# Altium PCB PIXHACK.PcbDoc (part 3 of 3)
Units mm, origin at the board's own origin, x right, y up, seen from the top; angles counter-clockwise.
Board outline 49 x 41 mm, 4 copper layers (Top Layer, GND, power, Bottom Layer); 140 components, 206 nets, 724 pads, 254 vias.
Unrouted connection lines stored in the file: 2.
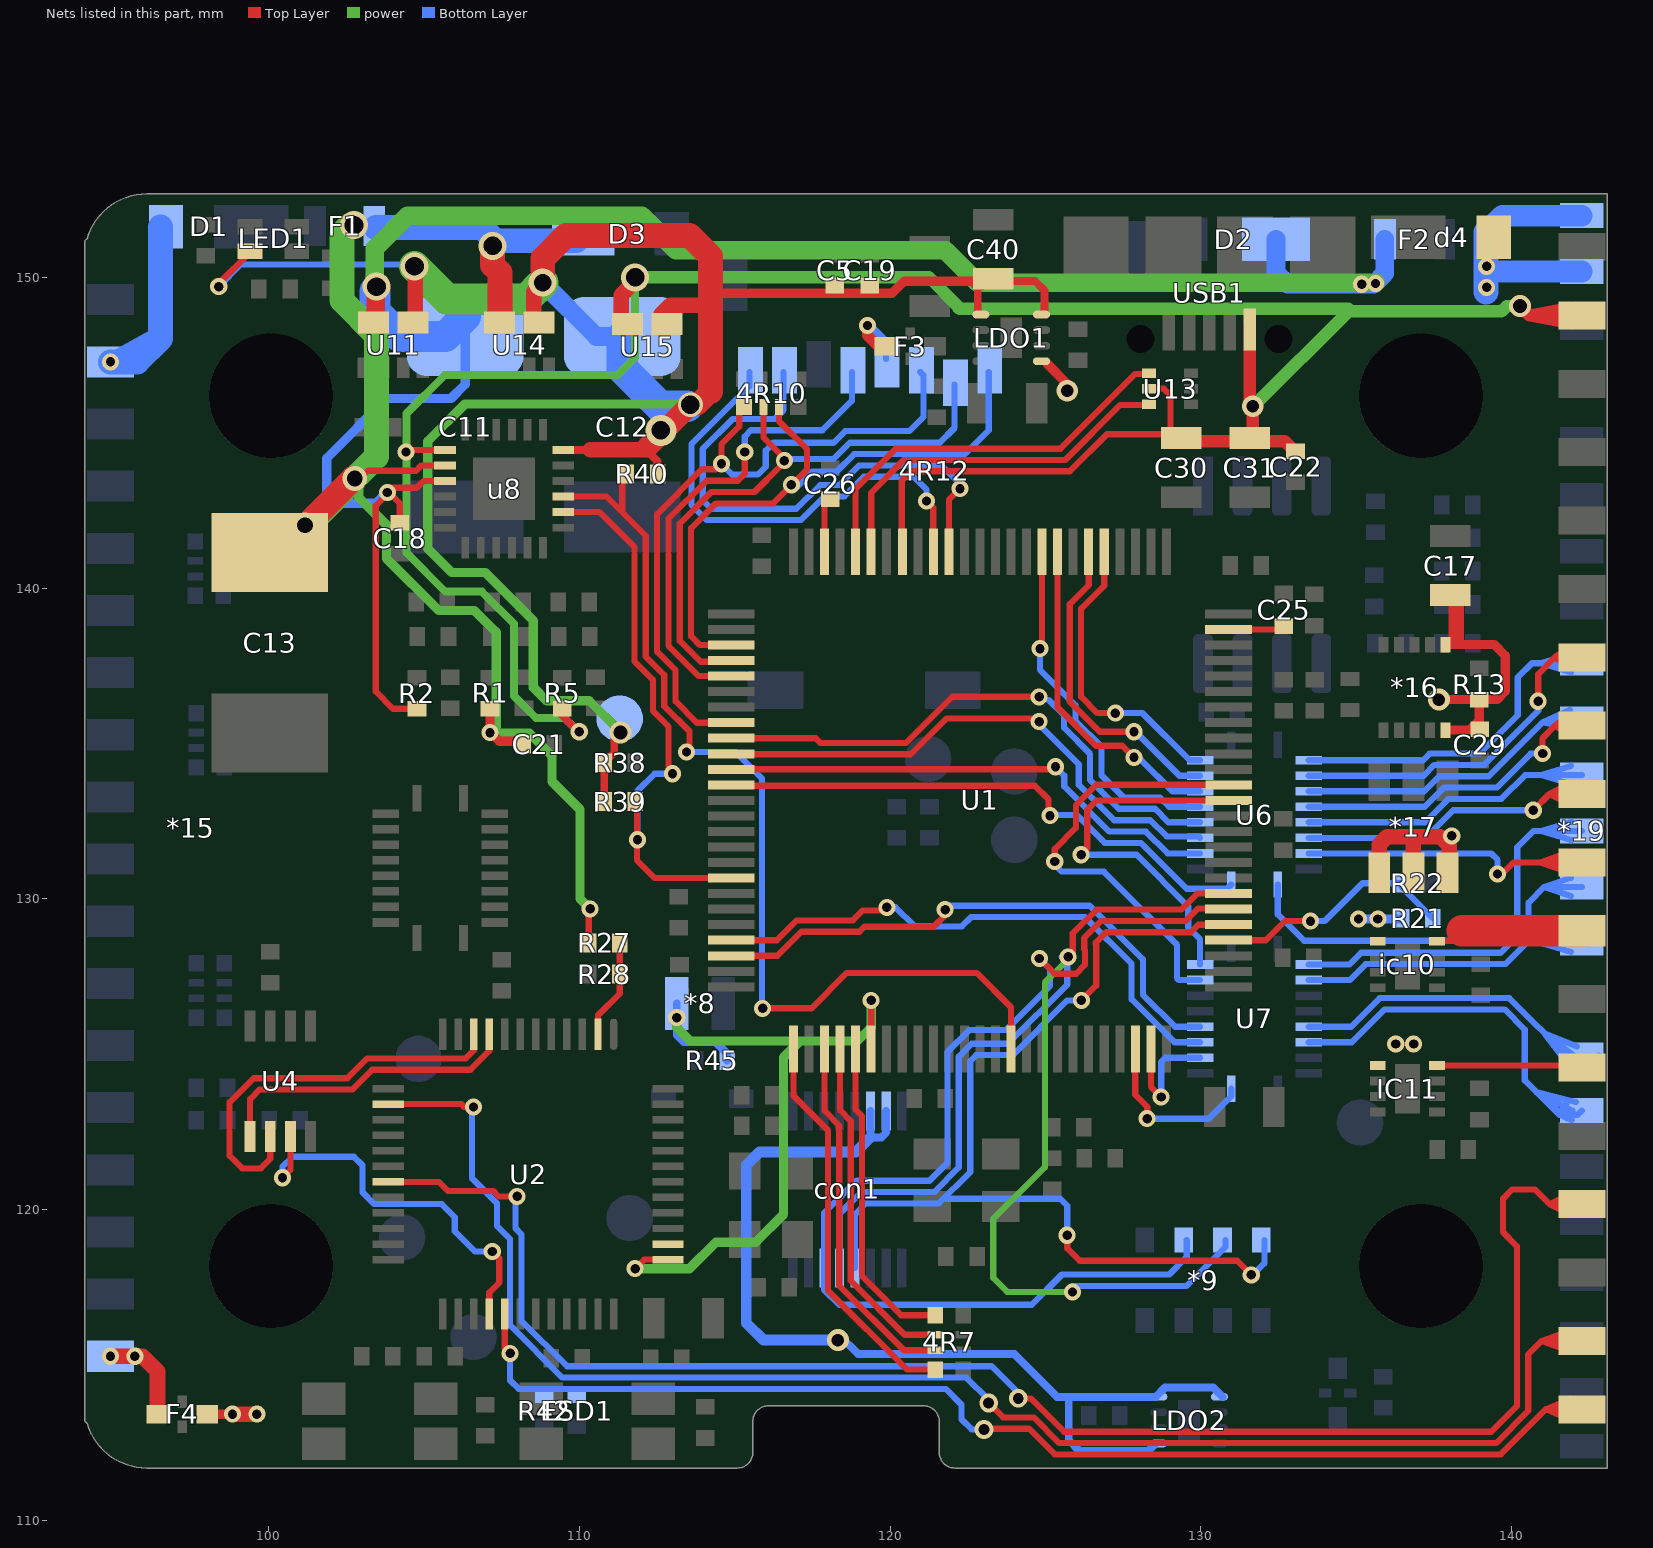
[diagram p5: the nets of this part, all layers, seen from the top]

## Via types
v1: diameter 0.55, hole 0.3, Top Layer to Bottom Layer, 198 vias
v2: diameter 0.6, hole 0.35, Top Layer to Bottom Layer, 24 vias
v3: diameter 0.7, hole 0.4, Top Layer to Bottom Layer, 9 vias
v4: diameter 0.9, hole 0.6, Top Layer to Bottom Layer, 5 vias
v5: diameter 0.7, hole 0.45, Top Layer to Bottom Layer, 4 vias
v6: diameter 0.65, hole 0.4, Top Layer to Bottom Layer, 4 vias
v7: diameter 0.5, hole 0.3, Top Layer to Bottom Layer, 2 vias
v8: diameter 0.8, hole 0.5, Top Layer to Bottom Layer, 2 vias
v9: diameter 0.65, hole 0.35, Top Layer to Bottom Layer, 2 vias
v10: diameter 0.9, hole 0.55, Top Layer to Bottom Layer, 1 vias
v11: diameter 1, hole 0.6, Top Layer to Bottom Layer, 1 vias
v12: diameter 0.8, hole 0.6, Top Layer to Bottom Layer, 1 vias
v13: diameter 0.8, hole 0.45, Top Layer to Bottom Layer, 1 vias

## Nets (pads, with @x,y where several pads share a name; then routed paths per layer and width w, separated by ;. In a path a pad name is that pad's centre, name@x,y a point inside that pad or via, vN(x,y) a via of type N, cw(c..) or ccw(c..) an arc to the next point about the centre after c; other vN are vias at no path point) (continued)
SAFE_LED: *19.2 U2.26 | length 53.9
  Top Layer w0.2: U2.26@103.854,123.391 103.863,123.4 106.2,123.4 106.3,123.3 v1(106.6,123.3) ; v2(123.175,113.775) 123.64,113.31 124.625,113.31 125.45,112.485 139.501,112.485 140.54,113.524 140.54,115.34 140.972,115.772 ; *19.2@141.905,115.427 140.972,115.772 ; *19.2@141.905,116.117 140.972,115.772 ; *19.2@141.956,115.622 140.972,115.772 ; *19.2@141.956,115.922 140.972,115.772 ; *19.2@141.967,115.772 140.972,115.772 ; *19.2@142.267,115.772 140.972,115.772
  Bottom Layer w0.2: v1@106.55,123.35 106.55,121 107.35,120.2 107.35,119.475 107.775,119.05 107.775,116.275 109.457,114.593 122.457,114.593 123.175,113.875 v2(123.175,113.775) ; v1@106.585,123.315 v1(106.6,123.3)
SAFETY: *19.1 ESD1.1 R42.2 U2.41 | length 42.9
  Top Layer w0.2: U2.41@107.604,116.641 107.604,115.546 v1(107.775,115.375) ; v2@123.045,112.945 124.474,112.945 125.299,112.12 139.652,112.12 141.104,113.572 ; *19.1@141.896,113.229 141.104,113.572 ; *19.1@141.896,113.915 141.104,113.572 ; *19.1@141.954,113.423 141.104,113.572 ; *19.1@141.954,113.721 141.104,113.572 ; *19.1@141.967,113.572 141.104,113.572 ; *19.1@142.267,113.572 141.104,113.572
  Bottom Layer w0.2: v1@107.771,115.371 v1(107.775,115.375) 107.775,114.5 108.047,114.228 121.797,114.228 122.3,113.725 122.3,113.25 122.625,112.925 v2(123.025,112.925)
SBUS_INPUT: U2.22 U4.6 | length 13.1
  Top Layer w0.2: U4.6@100.057,122.351 100.057,121.632 99.75,121.325 99.15,121.325 98.75,121.725 98.75,123.45 99.525,124.225 102.541,124.225 103.181,124.865 106.349,124.865 106.604,125.12 U2.22@106.604,125.641
SBUS_OUTPUT: U2.21 U4.5 | length 10.1
  Top Layer w0.2: U4.5@99.407,122.351 99.407,123.557 99.71,123.86 102.692,123.86 103.332,124.5 106.5,124.5 107.104,125.104 U2.21@107.104,125.641
SBUS_OUTPUT_EN: U2.40 U4.7 | length 12.9
  Top Layer w0.2: v1(100.45,121.025) 100.707,121.282 U4.7@100.707,122.351 ; U2.40@107.104,116.641 107.104,117.329 107.425,117.65 107.425,118.425 v1(107.2,118.65)
  Bottom Layer w0.2: v1(100.45,121.025) 100.45,121.375 100.775,121.7 102.75,121.7 103.025,121.425 103.025,120.55 103.4,120.175 105.575,120.175 105.996,119.754 105.996,119.304 106.65,118.65 v1(107.2,118.65)
SDIO_CK: 4R12.5 U1.80 | length 15.6
  Top Layer w0.2: U1.80@114.894,137.167 113.851,137.167 112.87,138.148 112.87,142.227 114.098,143.455 115.105,143.455 115.325,143.675 v1(115.325,144.375)
  Bottom Layer w0.2: v1(115.325,144.375) 115.325,144.875 115.525,145.075 117.825,145.075 118.775,146.025 4R12.5@118.775,146.949
SDIO_CMD: 4R10.5 4R12.3 U1.83 | length 22.1
  Top Layer w0.2: U1.83@114.894,135.667 113.783,135.667 113.1,136.35 113.1,137.35 112.505,137.945 112.505,142.379 113.946,143.82 114.395,143.82 v1(114.575,144) 114.575,144.625 115.15,145.2 4R10.5@115.15,145.6
  Bottom Layer w0.2: v1(114.575,144) 114.925,143.65 115.75,143.65 116,143.9 116,144.425 116.25,144.675 118.185,144.675 118.56,145.05 120.625,145.05 121.075,145.5 121.075,146.849 4R12.3@120.975,146.949
SDIO_D0: 4R12.7 U1.65 | length 17.7
  Top Layer w0.2: U1.65@121.894,141.167 121.894,142.844 v1(122.25,143.2) v1@122.25,143.35
  Bottom Layer w0.2: 4R12.7@116.575,146.949 116.575,145.725 116.29,145.44 114.94,145.44 113.975,144.475 113.975,142.825 114.25,142.55 116.984,142.55 117.749,143.315 118.374,143.315 119.004,143.945 121.655,143.945 122.25,143.35 v1(122.25,143.2)
SDIO_D1: 4R12.8 U1.66 | length 15.7
  Top Layer w0.2: v1(121.175,142.8) 121.394,142.581 U1.66@121.394,141.167
  Bottom Layer w0.2: 4R12.8@115.475,146.949 115.475,146.491 113.61,144.626 113.61,142.674 114.099,142.185 117.135,142.185 117.9,142.95 118.525,142.95 119.155,143.58 120.765,143.58 121.175,143.17 v1(121.175,142.8)
SDIO_D2: 4R10.7 4R12.1 U1.78 | length 20.7
  Top Layer w0.2: U1.78@114.894,138.167 113.883,138.167 113.6,138.45 113.6,141.925 114.4,142.725 116.25,142.725 117.325,143.8 117.325,144.475 116.425,145.375 4R10.7@116.425,145.825
  Bottom Layer w0.2: v1@116.95,143.2 117.5,143.75 118.293,143.75 118.853,144.31 122.41,144.31 123.175,145.075 4R12.1@123.175,146.949
  other v1: 116.825,143.325
SDIO_D3: 4R10.6 4R12.2 U1.79 | length 18.6
  Top Layer w0.2: U1.79@114.275,137.625 113.909,137.625 113.235,138.299 113.235,142.076 114.249,143.09 115.64,143.09 116.475,143.925 116.475,144.3 115.925,144.85 4R10.6@115.925,145.825
  Bottom Layer w0.2: v1(116.6,144.1) 116.6,144.125 116.625,144.15 118.176,144.15 118.701,144.675 121.6,144.675 122.075,145.15 4R12.2@122.075,146.549
SERVO_VALID: R39.2 U1.93 u8.8 | length 18.5
  Top Layer w0.2: u8.8@109.483,142.444 110.656,142.444 111.775,141.325 111.775,137.643 112.37,137.048 112.37,136.048 112.875,135.543 v1@112.875,134.2 ; R39.2@111.856,133.154 111.856,131.244 112.433,130.667 U1.93@114.894,130.667
  Bottom Layer w0.2: v1(111.875,131.9) 111.875,133.475 112.425,134.025 v1(113,134.025)
SPEKTRUM_EN: U2.2
SPI_EXT_MISO: 4R7.6 U1.4 | length 11
  Top Layer w0.2: U1.4@118.394,125.167 118.394,123.19 118.735,122.849 118.735,117.706 120.466,115.975 4R7.6@121.45,115.975
SPI_EXT_MOSI: 4R7.5 U1.5 | length 10.3
  Top Layer w0.2: U1.5@118.894,125.167 118.894,123.206 119.1,123 119.1,117.857 120.357,116.6 4R7.5@121.45,116.6
SPI_EXT_NSS: 4R7.7 U1.3 | length 11.8
  Top Layer w0.2: U1.3@117.894,125.167 117.894,123.174 118.37,122.698 118.37,117.555 120.45,115.475 4R7.7@121.45,115.475
SPI_EXT_SCK: 4R7.8 U1.1 | length 12.7
  Top Layer w0.2: U1.1@116.894,125.167 116.894,123.657 118.005,122.546 118.005,117.395 120.55,114.85 4R7.8@121.45,114.85
SPI_MISO: *9.6 con1.11 U1.31 | length 36.6
  Top Layer w0.2: v1(124.806,128.081) 125.296,127.591 125.991,127.591 126.271,127.871 126.271,128.355 126.248,128.378 126.248,128.74 126.799,129.29 129.524,129.29 129.924,129.69 130.871,129.69 U1.31@130.894,129.667
  Bottom Layer w0.2: v1(124.806,128.081) 125.15,127.737 125.15,127.207 123.718,125.775 122.55,125.775 121.85,125.075 121.85,121.507 121.271,120.929 118.921,120.929 117.875,119.882 con1.11@117.875,118.125 117.875,117.425 118.365,116.935 124.56,116.935 125.535,117.91 128.985,117.91 129.55,118.475 *9.6@129.55,119.025
SPI_MOSI: *9.7 con1.12 U1.32 | length 41
  Top Layer w0.2: v1(125.731,128.131) 125.727,128.135 125.883,128.291 125.883,128.891 126.648,129.655 129.373,129.655 129.885,130.167 U1.32@130.894,130.167
  power w0.2: 125.575,127.897 124.985,127.307 124.985,121.36 123.325,119.7 123.325,117.8 123.775,117.35 v1(125.875,117.35)
  Bottom Layer w0.2: con1.12@118.375,118.125 118.375,119.866 119.073,120.564 121.423,120.564 122.215,121.356 122.215,124.924 122.627,125.336 123.795,125.336 125.7,127.241 125.7,127.959 v1@125.528,128.131 ; v1@125.875,117.545 129.545,117.545 130.8,118.8 *9.7@130.8,119.025
SPI_SCK: *9.8 con1.13 U1.30 | length 33.6
  Top Layer w0.2: v1(125.7,119.175) 125.7,118.75 126.1,118.35 131.175,118.35 v1(131.625,117.9) ; v1@126.131,126.756 v1@126.131,126.894 ; v1@126.299,126.874 126.636,127.211 126.636,128.506 126.613,128.529 126.613,128.588 126.95,128.925 129.675,128.925 129.917,129.167 U1.30@130.894,129.167
  Bottom Layer w0.2: con1.13@118.875,118.125 118.875,119.85 119.224,120.199 121.574,120.199 122.58,121.205 122.58,124.773 122.779,124.971 123.946,124.971 125.706,126.731 v1(126.156,126.731) 126.106,126.731 126.058,126.78 v1@126.058,126.818 ; 121.799,120.35 125.475,120.35 125.7,120.125 v1(125.7,119.175) ; v1@131.65,117.875 132.05,118.275 *9.8@132.05,119.025
STM32_DM: U1.70 U13.6 | length 12
  Top Layer w0.2: U1.70@119.394,141.167 119.394,143.069 120.445,144.12 125.636,144.12 127.408,145.892 U13.6@128.335,145.892
STM32_DP: U1.71 U13.4 | length 13
  Top Layer w0.2: U1.71@118.894,141.167 118.894,143.194 120.185,144.485 125.485,144.485 127.892,146.892 U13.4@128.335,146.892
TELEM1_CTS: *19.31 U6.16 | length 12.4
  Bottom Layer w0.2: U6.16@133.478,132.46 137.219,132.46 137.974,133.215 139.674,133.215 140.442,133.983 *19.31@142.259,133.983 ; *19.31@141.914,133.686 140.959,133.983 ; *19.31@141.914,134.28 140.959,133.983 ; *19.31@141.959,133.983 140.959,133.983
TELEM1_RTS: *19.10 U6.17 | length 13.1
  Top Layer w0.2: v1(140.7,132.85) 141.222,133.372 ; *19.10@141.885,133.032 141.222,133.372 ; *19.10@141.885,133.712 141.222,133.372 ; *19.10@141.952,133.223 141.222,133.372 ; *19.10@141.952,133.521 141.222,133.372 ; *19.10@141.967,133.372 141.222,133.372 ; *19.10@142.267,133.372 141.222,133.372
  Bottom Layer w0.2: U6.17@133.478,131.96 137.235,131.96 138.125,132.85 v1(140.7,132.85)
TELEM1_RX: *19.30 U6.20 | length 16.9
  Bottom Layer w0.2: U6.20@132.478,130.46 132.478,129.497 133.325,128.65 139.518,128.65 140.185,129.317 140.185,131.66 140.708,132.183 *19.30@142.259,132.183 ; *19.30@141.914,131.886 140.959,132.183 ; *19.30@141.914,132.48 140.959,132.183 ; *19.30@141.959,132.183 140.959,132.183
TELEM1_TX: *19.9 U6.18 | length 14.7
  Top Layer w0.2: v1(139.55,130.8) 139.7,130.8 140.072,131.172 *19.9@142.267,131.172 ; *19.9@141.909,130.827 140.917,131.172 ; *19.9@141.909,131.517 140.917,131.172 ; *19.9@141.956,131.022 140.917,131.172 ; *19.9@141.956,131.322 140.917,131.172 ; *19.9@141.967,131.172 140.917,131.172
  Bottom Layer w0.2: U6.18@133.478,131.46 139.34,131.46 139.55,131.25 v1(139.55,130.8)
TELEM2_CTS: *19.32 U6.14 | length 12.9
  Bottom Layer w0.2: U6.14@133.478,133.46 137.187,133.46 137.671,133.945 139.27,133.945 141,135.675 ; *19.32@141.88,136.072 141,135.675 ; *19.32@141.946,135.483 141,135.675 ; *19.32@141.959,135.783 141,135.675 ; *19.32@142.525,135.675 141,135.675
TELEM2_RTS: *19.11 U6.15 | length 13
  Top Layer w0.2: v1(141,134.675) 141,135.175 141.397,135.572 ; *19.11@141.859,135.239 141.397,135.572 ; *19.11@141.859,135.905 141.397,135.572 ; *19.11@141.947,135.423 141.397,135.572 ; *19.11@141.947,135.721 141.397,135.572 ; *19.11@141.967,135.572 141.397,135.572 ; *19.11@142.267,135.572 141.397,135.572
  Bottom Layer w0.2: U6.15@133.478,132.96 137.203,132.96 137.823,133.58 139.523,133.58 140.618,134.675 v1(141,134.675)
TELEM2_RX: *19.12 U6.13 | length 14
  Top Layer w0.2: v1@140.857,136.315 140.857,137.232 141.397,137.772 ; *19.12@141.859,137.439 141.397,137.772 ; *19.12@141.859,138.105 141.397,137.772 ; *19.12@141.947,137.623 141.397,137.772 ; *19.12@141.947,137.921 141.397,137.772 ; *19.12@141.967,137.772 141.397,137.772 ; *19.12@142.267,137.772 141.397,137.772
  Bottom Layer w0.2: U6.13@133.478,133.96 137.17,133.96 137.52,134.31 139.119,134.31 140.857,136.048 v1(140.857,136.357)
TELEM2_TX: *19.33 U6.12 | length 13.8
  Bottom Layer w0.2: U6.12@133.478,134.46 137.154,134.46 137.369,134.675 138.968,134.675 140.2,135.907 140.2,137.125 140.658,137.583 *19.33@142.259,137.583 ; *19.33@141.914,137.286 140.959,137.583 ; *19.33@141.914,137.88 140.959,137.583 ; *19.33@141.959,137.583 140.959,137.583
TELEM4_RX: *19.25 U7.17 | length 18.2
  Bottom Layer w0.2: U7.17@133.478,125.385 134.859,125.385 135.914,126.44 139.776,126.44 140.425,125.791 140.425,124.157 141.532,123.05 ; *19.25@141.792,122.934 140.807,123.776 ; *19.25@142.064,123.464 140.807,123.776 ; *19.25@142.259,123.183 142.126,123.05 141.532,123.05 ; 140.807,123.776 *19.25@141.959,123.183 ; 141.532,123.05 *19.25@141.959,123.183 ; 141.532,123.05 141.779,123.423 141.532,123.05 ; 141.532,123.05 141.947,122.883 141.532,123.05 ; 141.532,123.05 *19.25@141.959,123.183
TELEM4_TX: *19.26 U7.16 | length 13.9
  Bottom Layer w0.2: U7.16@133.478,125.885 134.843,125.885 135.763,126.805 139.927,126.805 141.837,124.895 142.763,124.895 *19.26@142.818,124.95 ; *19.26@141.747,124.771 141.062,125.67 ; *19.26@141.959,124.983 141.062,125.67 ; *19.26@142.108,125.243 141.062,125.67
TELEM5_RX: *19.29 U7.12 | length 12.9
  Bottom Layer w0.2: U7.12@133.478,127.885 134.778,127.885 135.158,128.265 139.649,128.265 140.55,129.166 140.55,129.875 141.058,130.383 ; *19.29@141.909,130.087 141.058,130.383 ; *19.29@141.909,130.679 141.058,130.383 ; *19.29@141.959,130.383 141.058,130.383 ; *19.29@142.259,130.383 141.058,130.383
TELEM5_TX: *19.28 U7.13 | length 12.3
  Bottom Layer w0.2: U7.13@133.478,127.385 134.794,127.385 135.309,127.9 139.8,127.9 140.483,128.583 *19.28@142.259,128.583 ; *19.28@141.914,128.286 140.959,128.583 ; *19.28@141.914,128.88 140.959,128.583 ; *19.28@141.959,128.583 140.959,128.583
TF_VCC: 4R12.4 F3.2 | length 2.4
  Top Layer w0.35: v1(119.275,148.45) 119.275,148.125 119.617,147.783 F3.2@119.847,147.783
  Bottom Layer w0.2: 4R12.4@119.875,147.372 4R12.4@119.875,147.85
  Bottom Layer w0.35: v1(119.275,148.45) 4R12.4@119.875,147.85
USART1_RX: *19.4 U2.31 | length 55.8
  Top Layer w0.2: U2.31@103.854,120.891 105.484,120.891 105.775,120.6 107.225,120.6 107.4,120.425 v1(108,120.425) ; v2(124.125,113.925) 124.526,113.925 125.601,112.85 139.35,112.85 140.175,113.675 140.175,118.825 139.725,119.275 139.725,120.35 140.025,120.65 140.75,120.65 141.228,120.172 ; *19.4@141.884,119.832 141.228,120.172 ; *19.4@141.884,120.512 141.228,120.172 ; *19.4@141.952,120.023 141.228,120.172 ; *19.4@141.952,120.321 141.228,120.172 ; *19.4@141.967,120.172 141.228,120.172 ; *19.4@142.267,120.172 141.228,120.172
  Bottom Layer w0.2: v1@107.95,120.4 107.95,119.391 108.14,119.201 108.14,116.426 109.608,114.958 123.267,114.958 124.125,114.1 v2(124.125,113.925)
USART2_CTS: U1.84 U6.5 | length 17.8
  Top Layer w0.2: U1.84@114.894,135.167 117.608,135.167 117.758,135.017 120.517,135.017 122,136.5 v1(124.8,136.5)
  Bottom Layer w0.2: 125.1,136.4 125.6,135.9 125.6,135.5 126.44,134.66 126.44,133.819 127.364,132.895 128.529,132.895 128.959,132.465 129.973,132.465 U6.5@129.978,132.46
USART2_RTS: U1.85 U6.4 | length 17.3
  Top Layer w0.2: U1.85@114.894,134.667 114.909,134.652 120.668,134.652 121.816,135.8 v1@124.8,135.8
  Bottom Layer w0.2: v1@124.9,135.5 126.075,134.325 126.075,133.666 127.211,132.53 128.377,132.53 128.901,132.006 129.931,132.006 U6.4@129.978,131.96
  other v1: 124.8,135.7
USART2_RX: U1.87 U6.1 | length 17.7
  Top Layer w0.2: U1.87@114.894,133.667 114.926,133.635 124.665,133.635 125.1,133.2 v1@125.1,132.7
  Bottom Layer w0.2: v1@125.2,132.7 126.009,132.7 126.909,131.8 128.075,131.8 129.55,130.325 130.842,130.325 U6.1@130.978,130.46
  other v1: 125.15,132.675
USART2_TX: U1.86 U6.3 | length 16.5
  Top Layer w0.2: U1.86@114.894,134.167 125.242,134.167 v1(125.325,134.25)
  Bottom Layer w0.2: v1(125.325,134.25) 125.61,133.965 125.61,133.615 127.06,132.165 128.226,132.165 128.931,131.46 U6.3@129.978,131.46
USART3_CTS: U1.58 U6.7 | length 10.8
  Top Layer w0.2: U1.58@125.394,141.167 125.394,136.156 126.625,134.925 127.475,134.925 v1(127.85,134.55)
  Bottom Layer w0.2: v1@127.75,134.475 128.075,134.475 129.09,133.46 U6.7@129.978,133.46
USART3_RTS: U1.59 U6.6 | length 11.6
  Top Layer w0.2: v1@124.894,138.05 U1.59@124.894,141.167
  Bottom Layer w0.2: v1(124.825,138.05) 124.825,137.375 125.965,136.235 125.965,135.735 126.805,134.895 126.805,133.97 127.515,133.26 128.68,133.26 128.98,132.96 U6.6@129.978,132.96
USART3_RX: U1.56 U6.8 | length 10.2
  Top Layer w0.2: U1.56@126.394,141.167 126.394,140.094 125.785,139.485 125.785,136.34 126.75,135.375 v1(127.85,135.375)
  Bottom Layer w0.2: v1@127.875,135.4 129.315,133.96 U6.8@129.978,133.96
USART3_TX: U1.55 U6.9 | length 9.6
  Top Layer w0.2: U1.55@126.894,141.167 126.894,140.078 126.15,139.334 126.15,136.5 126.675,135.975 v1(127.25,135.975)
  Bottom Layer w0.2: v1(127.25,135.975) 128.125,135.975 129.64,134.46 U6.9@129.978,134.46
USART4_RX: U1.24 U7.3 | length 4.1
  Top Layer w0.2: U1.24@128.394,125.167 128.394,123.956 v1(128.725,123.625)
  Bottom Layer w0.2: v1(128.725,123.625) 128.725,124.75 128.86,124.885 U7.3@129.978,124.885
USART4_TX: U1.23 U7.1 | length 5.7
  Top Layer w0.2: U1.23@127.854,125.207 U1.23@127.894,125.167 127.894,123.692 128.275,123.311 v1(128.275,122.925)
  Bottom Layer w0.2: v1(128.275,122.925) 130.25,122.925 130.978,123.653 U7.1@130.978,123.885
USART7_RX: U1.38 U7.9 | length 12.4
  Top Layer w0.2: v1(126.15,131.416) 126.349,131.615 126.349,132.858 126.658,133.167 U1.38@130.894,133.167
  Bottom Layer w0.2: v1(126.15,131.416) 127.934,131.416 129.6,129.75 129.6,129.072 129.978,128.695 U7.9@129.978,127.885
USART7_TX: U1.39 U7.8 | length 14.3
  Top Layer w0.2: v1(125.3,131.2) 125.3,131.6 125.984,132.284 125.984,133.009 126.642,133.667 U1.39@130.894,133.667
  Bottom Layer w0.2: v1@125.2,131.2 125.525,130.875 126.875,130.875 129.235,128.515 129.235,127.449 129.299,127.385 U7.8@129.978,127.385
USART8_RX: U1.97 U7.4 | length 18.2
  Top Layer w0.2: U1.97@114.894,128.667 116.36,128.667 116.998,129.305 118.805,129.305 119.125,129.625 v1@119.9,129.625
  Bottom Layer w0.2: v1(119.9,129.725) 120.175,129.725 120.79,129.11 122.31,129.11 122.615,129.415 126.27,129.415 127.775,127.91 127.775,126.766 129.156,125.385 U7.4@129.978,125.385
USART8_TX: U1.98 U7.5 | length 18.1
  Top Layer w0.2: U1.98@114.894,128.167 116.376,128.167 117.149,128.94 119.015,128.94 119.175,129.1 121.4,129.1 121.775,129.475 v1(121.775,129.65)
  Bottom Layer w0.2: v1(121.775,129.65) 121.905,129.78 126.421,129.78 128.14,128.061 128.14,126.917 129.172,125.885 U7.5@129.978,125.885
VBAT: *8.2 R45.2 U1.6 U2.1 | length 26.7
  Top Layer w0.2: v1(111.8,118.1) 112.091,118.391 U2.1@112.854,118.391 ; U1.6@119.394,125.167 v1(119.394,126.731)
  power w0.3: v1(111.8,118.1) 113.55,118.1 114.4,118.95 115.675,118.95 116.57,119.845 116.57,124.895 117.1,125.425 118.875,125.425 ; v1(113.139,126.175) 113.139,125.861 113.575,125.425 118.875,125.425 ; v1(119.394,126.731) 119.394,125.869 118.95,125.425 118.875,125.425
  Bottom Layer w0.254: *8.2@113.139,126.633 113.139,125.611 113.362,125.388 114.387,125.388 114.756,125.019 R45.2@114.756,124.796
VBUS: *19.17 C22.2 C30.2 C31.2 R5.2 U1.68 u8.19 U13.5 U15.8 USB1.1 | length 89.4
  Top Layer w0.2: v1@104.35,144.375 104.419,144.444 u8.19@105.682,144.444 ; U1.68@120.394,141.167 120.375,141.186 120.375,143.45 120.68,143.755 125.787,143.755 126.982,144.95 128.975,144.95 C30.2@129.225,144.7 ; U13.5@128.335,146.416 128.809,146.416 129.025,146.2 C30.2@129.025,144.625
  Top Layer w0.254: R5.2@109.454,135.896 v1@110.05,135.3
  Top Layer w0.4: C30.2@129.375,144.725 132.7,144.725 C22.2@133,144.425 ; v3@131.579,145.921 USB1.1@131.579,148.447 ; C31.2@131.675,144.825 v3(131.675,145.85) ; v5(140.275,149.075) 140.578,148.772 ; *19.17@141.944,148.523 140.578,148.772 ; *19.17@141.944,149.021 140.578,148.772 ; *19.17@141.967,148.772 140.578,148.772 ; *19.17@142.267,148.772 140.578,148.772
  Top Layer w0.5: U15.8@111.35,148.5 111.35,149.425 v4@111.962,150.038
  power w0.254: v1@109.8,135.55 109.537,135.813 108.612,135.813 107.9,136.525 107.9,138.85 106.867,139.883 105.692,139.883 104.442,141.133 104.442,145.617 105.675,146.85 111.225,146.85 111.8,147.425 v4(111.8,150)
  power w0.4: v4(111.8,150) 121.25,150 122.2,149.05 ; 122.175,149.05 122.24,148.985 134.74,148.985 134.788,148.937 ; v3@131.687,145.837 134.788,148.937 ; v5(140.275,149.075) 139.85,149.075 139.675,148.9 134.825,148.9 134.788,148.937
  other v1: 110,135.375 104.425,144.375
VBUS_VAILD: R40.2 U1.15 u8.9 | length 32.2
  Top Layer w0.2: u8.9@109.483,142.944 110.881,142.944 111.381,142.444 ; R40.2@111.381,143.444 111.381,142.444 ; v1@113.55,134.65 113.55,135.384 112.735,136.199 112.735,137.199 112.14,137.794 112.14,141.685 111.381,142.444 ; v1(115.9,126.475) 117.475,126.475 118.615,127.615 122.785,127.615 123.894,126.506 U1.15@123.894,125.167
  Bottom Layer w0.2: v1(113.45,134.725) 115.025,134.725 115.885,133.865 115.885,126.49 v1(115.9,126.475)
VCAP_1: C25.2 U1.49 | length 1.9
  Top Layer w0.2: U1.49@130.894,138.667 132.642,138.667 C25.2@132.725,138.75
VCAP_2: C26.2 U1.73 | length 1.7
  Top Layer w0.2: C26.2@117.875,142.85 117.894,142.831 U1.73@117.894,141.167
VCC_OUT1: *19.8 ic10.8 | length 8.6
  Top Layer w0.2: ic10.8@137.577,128.638 *19.8@142.176,128.638
  Top Layer w1: 138.4,128.972 *19.8@142.402,128.972
VCC_OUT2: *19.6 IC11.8 | length 4.7
  Top Layer w0.2: IC11.8@137.602,124.638 142.201,124.638 *19.6@142.267,124.572
VDD_5V_BRICK: C11.A C18.2 D2.2 F2.2 R2.2 u8.21 U11.8 | length 67.7
  Top Layer w0.2: v1@103.875,143.225 104.775,143.225 104.994,143.444 u8.21@105.682,143.444 ; C18.2@104.225,142.1 104.225,142.725 103.875,143.075 103.45,142.65 103.45,136.675 104.006,136.119 R2.2@104.779,136.119
  Top Layer w0.6: U11.8@103.454,148.542 v4@103.454,149.446
  power w0.6: v4@103.425,149.7 103.425,150.925 104.475,151.975 112.015,151.975 113.115,150.875 121.775,150.875 122.825,149.825 v1@135.625,149.825
  Bottom Layer w0.2: v1@103.8,143.075 v1@103.875,143.075
  Bottom Layer w0.3: v1@103.8,143.075 103.45,142.725 102.3,142.725 101.875,143.15 101.875,144.175 103.8,146.1 105.875,146.1 106.334,146.559 C11.A@106.334,148.518
  Bottom Layer w0.6: D2.2@132.423,151.218 132.423,150.152 132.8,149.775 135.575,149.775 135.925,150.125 F2.2@135.925,151.225
  Bottom Layer w1: v4@103.425,149.55 103.425,148.9 104.225,148.1 105.691,148.1 C11.A@106.334,148.743
  other v1: 103.825,143.075 135.175,149.775 135.625,149.8
  other v4: 103.475,149.7
VDD_5V_BRICK_IN: *19.40 *19.41 d4.1 | length 12.3
  Bottom Layer w0.7: 139.175,151.45 139.708,151.983 ; *19.40@141.959,150.183 139.675,150.183 *19.40@142.259,150.183 ; *19.41@141.959,151.983 139.708,151.983 ; *19.41@142.259,151.983 139.708,151.983
  Bottom Layer w0.8: v1@139.175,149.525 139.175,150.2 139.175,151.45
  other v1: 139.2,149.675 139.2,150.35
VDD_5V_IN: *16.1 *16.10 *17.A1 *17.A2 *17.A3 C5.2 C12.A C17.2 C19.2 C29.2 C40.2 con1.2 con1.3 F4.2 ic10.1 IC11.1 LDO1.1 LDO1.4 LDO1.5 LDO2.1 LDO2.4 LDO2.5 LED1.3 pad.1@111.3,135.8 R13.1 R21.2 R38.1 R39.1 R40.1 u8.12 U11.5 U14.5 U15.5 | length 133.3
  Top Layer w0.2: v1@98.4,149.8 LED1.3@99.409,150.809
  Top Layer w0.254: u8.12@109.483,144.444 110.356,144.444 ; R39.1@110.806,133.129 R38.1@110.806,134.379 111.125,134.698 111.125,135.125 v5@111.3,135.3 ; 112.2,144.4 112.519,144.081 R40.1@112.519,143.671 ; v12@113.5,145.788 v12@113.5,145.8 ; v12(113.575,145.9) v12@113.8,145.9 ; LDO1.5@122.825,148.8 C40.2@122.825,149.825 ; C40.2@123.45,149.875 124.675,149.875 124.975,149.575 LDO1.4@124.975,148.8 ; v3@125.6,146.325 v3@125.6,146.675
  Top Layer w0.3: F4.2@98.028,113.417 v1(98.84,113.417) ; 114.2,149.65 ccw(c114.361,149.65) 114.225,149.564 ccw(c114.361,149.65) 114.361,149.489 120.064,149.489 120.45,149.875 123.45,149.875 123.65,150.075 C40.2@123.325,149.95 ; LDO1.1@125.05,147.225 v3@125.675,146.6 ; v3(137.663,136.412) R13.1@138.959,136.412 ; *16.10@137.881,135.431 138.656,135.431 138.959,135.734 R13.1@138.959,136.412 ; *16.1@137.881,138.181 139.444,138.181 139.8,137.825 139.8,136.675 139.537,136.412 R13.1@138.959,136.412
  Top Layer w0.4: LED1.3@99.409,150.809 LED1.3@99.409,150.833
  Top Layer w0.5: v1(98.84,113.417) v1(99.625,113.417) ; U11.5@104.724,148.542 v4@104.724,150.199 ; U14.5@108.534,148.542 108.534,149.534 v10(108.825,149.825) ; 110.356,144.444 112.156,144.444 ; U15.5@112.62,148.795 112.925,149.1 114.225,149.1 ; U15.5@112.72,148.5 U15.5@112.72,148.795 ; C40.2@122.825,149.825 C40.2@123.325,149.95 ; *17.A3@135.742,130.843 135.742,131.742 136,132 137.7,132 138,131.7 *17.A1@138,130.9 ; *17.A2@136.842,130.843 136.842,131.842 ; 138.225,138.327 C17.2@138.225,139.85
  Top Layer w0.6: 114.225,146.25 114.225,146.325
  Top Layer w0.7: 112.206,144.544 v12@113.55,145.888 ; v12@113.8,145.9 114.225,146.325
  Top Layer w0.8: v10(108.825,149.825) 108.825,150.6 109.575,151.35 113.55,151.35 114.225,150.675 114.225,149.564 114.225,149.1 114.225,146.325
  power w0.3: v5@111.3,135.4 110.325,136.375 108.95,136.375 108.525,136.8 108.525,138.95 106.975,140.5 105.9,140.5 105.125,141.275 105.125,144.725 106.325,145.925 v12@113.575,145.925
  power w0.5: v11(112.625,145.075) 112.75,145.075 v12@113.525,145.85
  power w1: v4(104.7,150.35) 105.75,149.3 108.3,149.3 v10(108.825,149.825)
  Bottom Layer w0.2: v1(98.4,149.7) 99.115,150.415 104.635,150.415 v4(104.7,150.35)
  Bottom Layer w0.254: v3(118.325,115.8) 118.325,115.95 118.3,115.975 118.35,115.975 118.975,115.35 124,115.35 125.375,113.975 125.75,113.975 125.75,112.575 126.094,112.231 128.306,112.231 LDO2.1@128.55,112.475 ; con1.3@119.375,123.175 119.375,122.325 119.725,122.325 119.875,122.475 con1.2@119.875,123.175 ; 125.775,113.975 128.55,113.975 128.85,114.275 130.4,114.275 LDO2.5@130.7,113.975
  Bottom Layer w0.3: v1(135.075,129.35) v1(135.7,129.35) R21.2@136.44,129.35
  Bottom Layer w0.35: v3(118.325,115.8) 115.925,115.8 115.375,116.35 115.375,121.425 115.8,121.85 118.9,121.85 119.375,122.325
  Bottom Layer w0.6: v10(108.825,149.825) 110.557,148.093 C12.A@111.384,148.093
  Bottom Layer w1: C12.A@111.384,148.093 111.384,147.066 112.6,145.85 v12@113.475,145.85
  other v1: 136.275,125.325 136.85,125.325 138.075,132.025
  other v3: 125.7,146.35
  other v5: 111.325,135.35
VDD_5V_SENS: R21.1 R22.2 U1.29 | length 7.9
  Top Layer w0.2: U1.29@130.894,128.667 132.092,128.667 132.706,129.281 v1(133.532,129.281)
  Bottom Layer w0.2: v1(133.532,129.281) 133.981,129.281 135.204,130.504 R22.2@136.469,130.504 136.469,130.379 R21.1@137.469,129.379
VDD_RC: *15.1 F4.1 | length 3.1
  Top Layer w0.5: v1(94.915,115.279) 95.946,115.279 96.428,114.797 F4.1@96.428,113.417
  other v1: 95.7,115.279
VDD_SERVO: C13.A C21.2 D3.2 F1.1 R1.2 R27.1 u8.20 U14.8 | length 49
  Top Layer w0.154: v1(107.129,135.346) v1@107.154,135.346
  Top Layer w0.2: v8@102.975,143.55 103.2,143.775 104.75,143.775 104.919,143.944 u8.20@105.682,143.944 ; R27.1@110.306,128.429 110.306,129.556 v1@110.4,129.65
  Top Layer w0.3: v1(107.129,135.346) R1.2@107.129,136.119 ; v1@107.154,135.346 107.425,135.075 C21.2@108.225,135.075
  Top Layer w0.8: C13.A@100.041,141.143 100.343,141.143 v8@102.725,143.525 ; v4(107.214,151.011) 107.214,150.386 107.45,150.15 U14.8@107.45,148.8
  power w0.3: v8@102.9,143.65 102.9,142.925 103.8,142.025 103.8,140.95 105.475,139.275 106.625,139.275 107.325,138.575 107.325,135.542 v1(107.129,135.346) ; v1@107.125,135.325 108.4,135.325 109.125,134.6 109.125,133.775 110.025,132.875 110.025,130 v1(110.35,129.675)
  power w0.8: v8(101.175,142.025) 101.3,142.025 v8@102.7,143.425 ; v4(102.75,151.675) 102.625,151.675 102.36,151.41 102.36,149.259 103.475,148.144 103.475,144.225 v8@102.9,143.65
  Bottom Layer w0.154: F1.1@103.275,151.775 F1.1@103.4,151.65 F1.1@103.45,151.6
  Bottom Layer w0.8: F1.1@103.45,151.6 106.875,151.6 107.3,151.175 109.895,151.175 D3.2@110.127,151.407
  other v8: 102.775,143.525
VDD_SERVO_IN: *15.17 D1.1 | length 8.3
  Bottom Layer w0.8: v1(94.915,147.279) 95.779,147.279 ; D1.1@96.529,151.618 96.529,148.029 ; *15.17@95.165,147.279 95.779,147.279 ; *15.17@95.165,147.279 96.529,148.029 ; *15.17@95.165,147.279 95.779,147.279 ; 95.779,147.279 96.529,148.029
VDD_SERVO_SENS: R27.2 R28.2 U2.14 | length 3
  Top Layer w0.2: U2.14@110.604,125.641 110.604,126.254 111.3,126.95 R27.2@111.3,128.325
pads on no net: 4R12.NC1 4R12.NC2 *9.4 *14.A1 *14.B3 *15.0 *18.A1 *18.B3 ic10.3 IC11.3 LDO1.6 U1.16 U1.51 U1.67 U1.92 U2.3 U2.4 U2.25 U2.32 U2.42 U2.43 U5.0 u8.11 u8.22 u8.23 USB1.4

## Polygon pours and split planes (outlines as drawn)
GND on Top Layer "Top Layer-No Net" (solid, remove dead copper, pour order 12): 114.3,116.5 117.45,116.5 ccw(c117.45,117.125) 118.075,117.125 118.075,123.525 ccw(c117.5,123.525) 117.5,124.1 114.3,124.1 ccw(c114.3,123.55) 113.75,123.55 113.75,117.05 ccw(c114.3,117.05) 114.3,116.5
GND on Top Layer "Top Layer-No Net" (solid, remove dead copper, pour order 10): 119.275,116.725 119.275,116.675 124.425,116.675 125.7,116.675 ccw(c125.7,117.025) 126.05,117.025 126.05,123.775 ccw(c125.5,123.775) 125.5,124.325 119.775,124.325 ccw(c119.775,123.75) 119.2,123.75 119.2,117.35 ccw(c119.9,117.35) 119.9,116.65
GND on Top Layer "Top Layer-No Net" (solid, remove dead copper, pour order 25): 118.05,152.6 118.1,152.65 130.175,152.65 134.125,152.65 cw(c134.125,151.375) 135.4,151.375 135.4,140.45 cw(c134.45,140.45) 134.45,139.5 130.15,139.5 cw(c130.15,140.525) 129.125,140.525 129.125,143.025 ccw(c128.175,143.025) 128.175,143.975 115.25,143.975 cw(c115.25,145.025) 114.2,145.025 114.2,151.825 cw(c114.875,151.825) 114.875,152.5 117.85,152.5 ccw(c117.85,152.65) 118,152.65
VDD_5V_IN on power "Top Layer-No Net" (solid, remove dead copper, pour order 29): 93.9,114.975 115.8,114.975 ccw(c115.8,116.075) 116.9,116.075 cw(c117.7,116.075) 117.7,116.875 125.35,116.875 cw(c125.35,116.244) 125.981,116.244 125.981,114.719 ccw(c126.45,114.719) 126.45,114.25 134.025,114.25 ccw(c134.025,114.7) 134.475,114.7 134.475,120.375 134.475,126.125 ccw(c132.6,126.125) 132.6,128 cw(c132.6,129.6) 131,129.6 131,136.328 131,136.46 cw(c133.54,136.46) 133.54,139 135.476,139 ccw(c135.476,140.874) 137.35,140.874 137.35,143 cw(c137.025,143) 137.025,142.675 102.425,142.675 cw(c102.425,144.4) 100.7,144.4 100.7,151.65 cw(c101.6,151.65) 101.6,152.55 144.28,152.55 ccw(c144.28,152.47) 144.2,152.47 144.2,112.025 cw(c143.95,112.025) 143.95,111.775 94.475,111.775 cw(c94.475,112.55) 93.7,112.55 93.7,114.725
3.3V-3 on power "Top Layer-No Net" (solid, remove dead copper, pour order 9): 99.4,114.75 99.825,114.325 113.8,114.325 ccw(c113.8,116.25) 115.725,116.25 115.725,117.275 115.725,125.985 ccw(c113.185,125.985) 113.185,128.525 113,128.525 96.665,128.525 ccw(c96.665,125.985) 94.125,125.985 94.125,114.55
MCU_3V3 on power "Top Layer-No Net" (solid, remove dead copper, pour order 11): 93.05,153 cw(c93.15,153) 93.15,153.1 137.075,153.1 cw(c137.075,151.472) 138.703,151.472 138.703,113.974 ccw(c138.677,113.974) 138.677,114 112.625,114 94.94,114 cw(c94.94,116.54) 92.4,116.54 92.4,117 92.4,151.525 cw(c94.025,151.525) 94.025,153.15
GND on Bottom Layer "Top Layer-No Net" (solid, remove dead copper, pour order 33): 124,114.525 124,114.475 132.725,114.475 133.1,114.475 ccw(c133.1,115.05) 133.675,115.05 133.675,116.075 cw(c134,116.075) 134,116.4 136.825,116.4 cw(c136.825,115.925) 137.3,115.925 137.3,112.175 cw(c137.025,112.175) 137.025,111.9 124.025,111.9 cw(c124.025,112.25) 123.675,112.25 123.675,113.85 cw(c124.3,113.85) 124.3,114.475
GND on Bottom Layer "Top Layer-No Net" (solid, remove dead copper, pour order 15): 120.975,125.075 116.675,125.075 ccw(c116.675,124.15) 115.75,124.15 115.75,124.05 115.75,116.95 ccw(c116.575,116.95) 116.575,116.125 121.375,116.125 ccw(c121.375,117.05) 122.3,117.05 122.3,124.075 ccw(c121.325,124.075) 121.325,125.05 120.85,125.05 cw(c120.85,125.075) 120.825,125.075
GND on GND "Top Layer-No Net" (solid, remove dead copper, pour order 17): 144.45,111 144.15,111.3 92.475,111.3 92.475,151.3 93.75,152.575 94.25,153.075 144.625,153.075 144.625,111.2 144.725,111.1

## Keep-outs
Keep-Out Layer:
  lines w0.002: 143.08,111.683 143.08,152.683 ; 143.084,111.683 122.084,111.683 cw(c122.084,112.183) 121.584,112.183 121.584,113.183 ccw(c121.084,113.183) 121.084,113.683 116.084,113.683 ccw(c116.084,113.183) 115.584,113.183 115.584,112.183 cw(c115.084,112.183) 115.084,111.683 96.084,111.683 cw(c96.084,113.683) 94.164,113.123 94.084,113.203 94.084,151.163 94.164,151.243 cw(c96.084,150.683) 96.084,152.683 143.084,152.683 ; 126.5,115.075 ccw(c126.9,115.075) 126.9,114.675 133.2,114.675 ccw(c133.2,115.075) 133.6,115.075 133.6,116.775 ccw(c133.2,116.775) 133.2,117.175 133,117.175 ccw(c133,116.775) 132.6,116.775 132.6,116.075 cw(c132.2,116.075) 132.2,115.675 127.9,115.675 cw(c127.9,116.075) 127.5,116.075 127.5,116.275 ccw(c127.1,116.275) 127.1,116.675 126.9,116.675 ccw(c126.9,116.275) 126.5,116.275 126.5,115.075 ; 126.5,119.175 ccw(c126.9,119.175) 126.9,118.775 127.1,118.775 ccw(c127.1,119.175) 127.5,119.175 127.5,119.375 cw(c127.9,119.375) 127.9,119.775 132.2,119.775 cw(c132.2,119.375) 132.6,119.375 132.6,118.675 ccw(c133,118.675) 133,118.275 133.2,118.275 ccw(c133.2,118.675) 133.6,118.675 133.6,120.375 ccw(c133.2,120.375) 133.2,120.775 132.8,120.775 126.9,120.775 ccw(c126.9,120.375) 126.5,120.375 126.5,119.175

## Other copper
Top Layer:
  rectangle net VDD_5V_IN: 135.425,124.5 135.95,125.675
  rectangle net VDD_5V_IN: 135.425,125.025 137.15,125.675
  region net VDD_5V_IN: 135.977,128.514 135.977,129.725 134.725,129.725 134.725,128.514
  rectangle net VDD_RC: 94.35,114.6 96.55,115.9
  rectangle net VDD_5V_BRICK_IN: 138.85,149.225 139.55,151.975
  rectangle net Netd4_2: 136.225,149.15 137.575,151.175
  rectangle net VCC_OUT2: 137.95,124.425 143,125.05
Bottom Layer:
  rectangle net GND: 105.6,141.825 111.6,142.975
  rectangle net VDD_SERVO: 102.3,151 103.6,152.3

## Silkscreen, mask and mechanical layers (free items; w line width, h text height)
Top Overlay:
  text "Pixhack v2.81" at 125.6,112.4 h1.8
Bottom Overlay:
  lines w1.5: 102.459,118.983 ccw(c100.087,118.192) 102.523,118.757 ; 102.459,146.983 ccw(c100.087,146.192) 102.523,146.757 ; 139.459,118.983 ccw(c137.087,118.192) 139.523,118.757 ; 139.459,146.983 ccw(c137.087,146.192) 139.523,146.757
  text "5V" at 112,136.9 h1.1
  text "DIO" at 126.375,134.425 h1.1
  text "M-3V3" at 120.175,133.775 h1.1
  text "CLK" at 124.625,130.125 h1.1
  text "IO-3V3" at 106,125.7 h1.1
  text "DIO" at 105.3,120 h1.1
  text "GND" at 110.65,119.475 h1.1
  text "CLK" at 109.4,116.1 h1.1